# Altium PCB esp_ethernet_can_ir_relay.PcbDoc (part 1 of 2)
Units mm, origin at the board's own origin, x right, y up, seen from the top; angles counter-clockwise.
Board outline 110 x 113 mm, 2 copper layers (Top Layer, Bottom Layer); 155 components, 105 nets, 479 pads, 57 vias.
Unrouted connection lines stored in the file: 2.
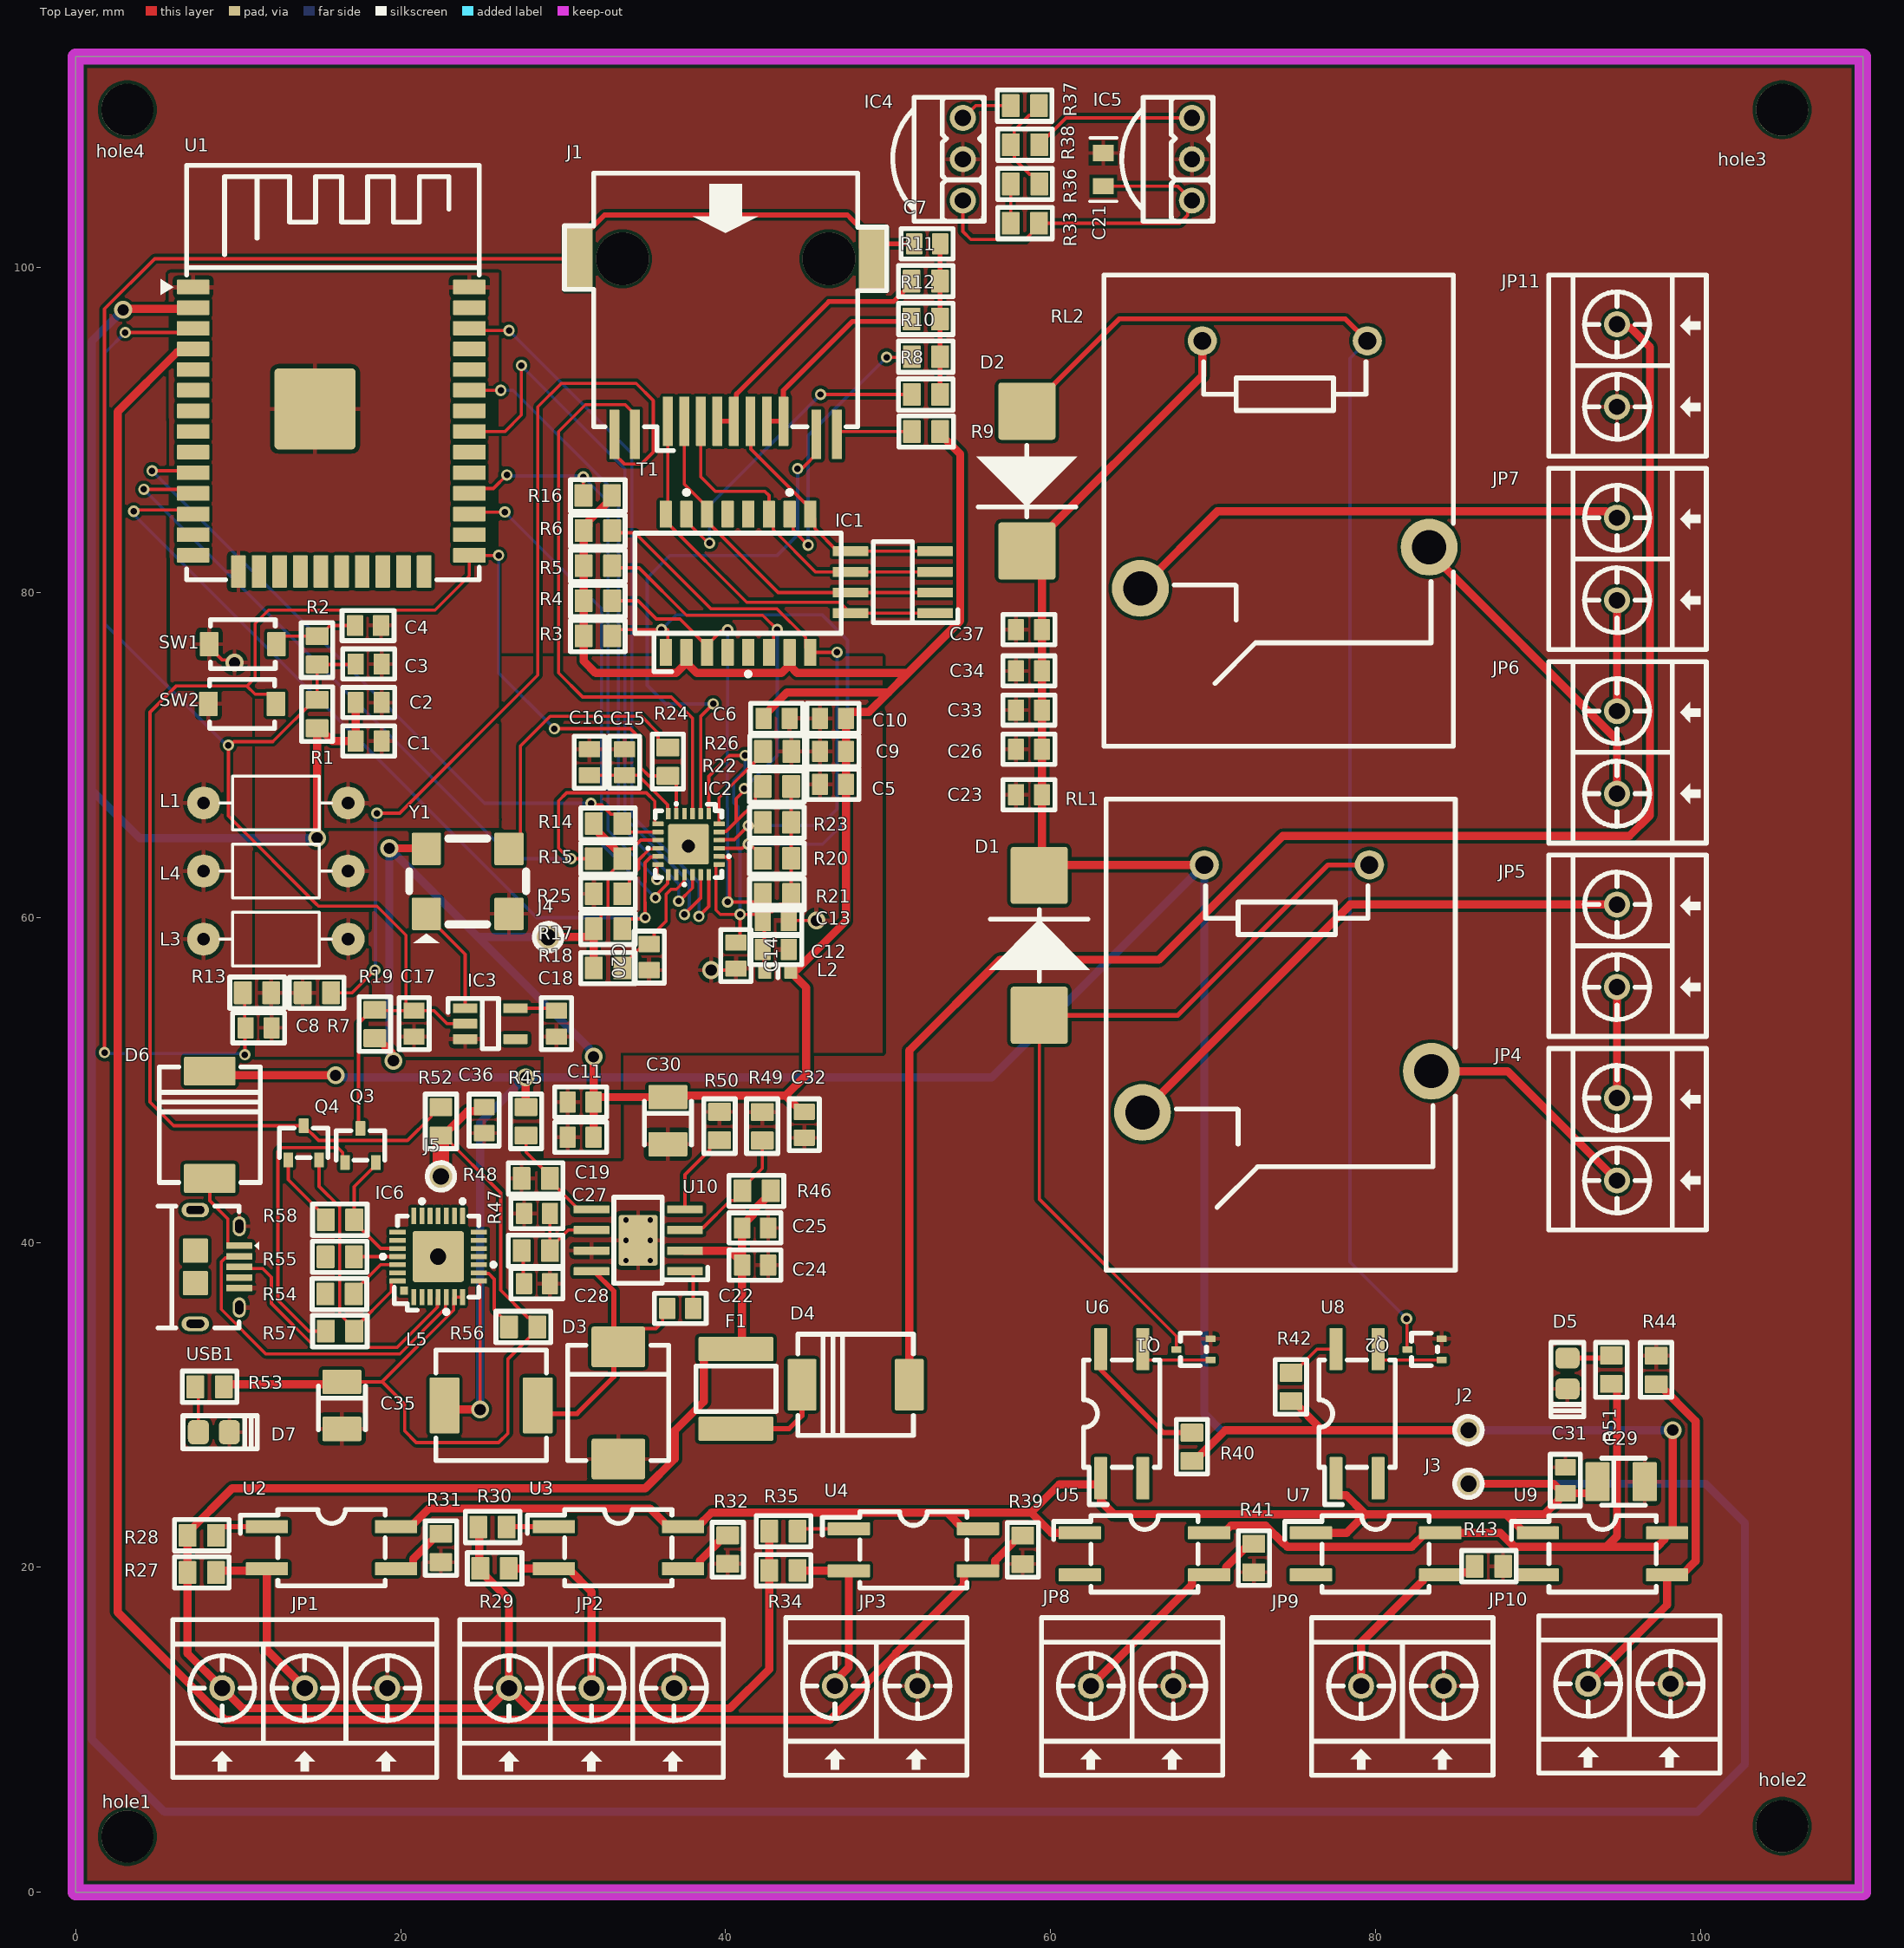
[diagram p0: Top Layer view]
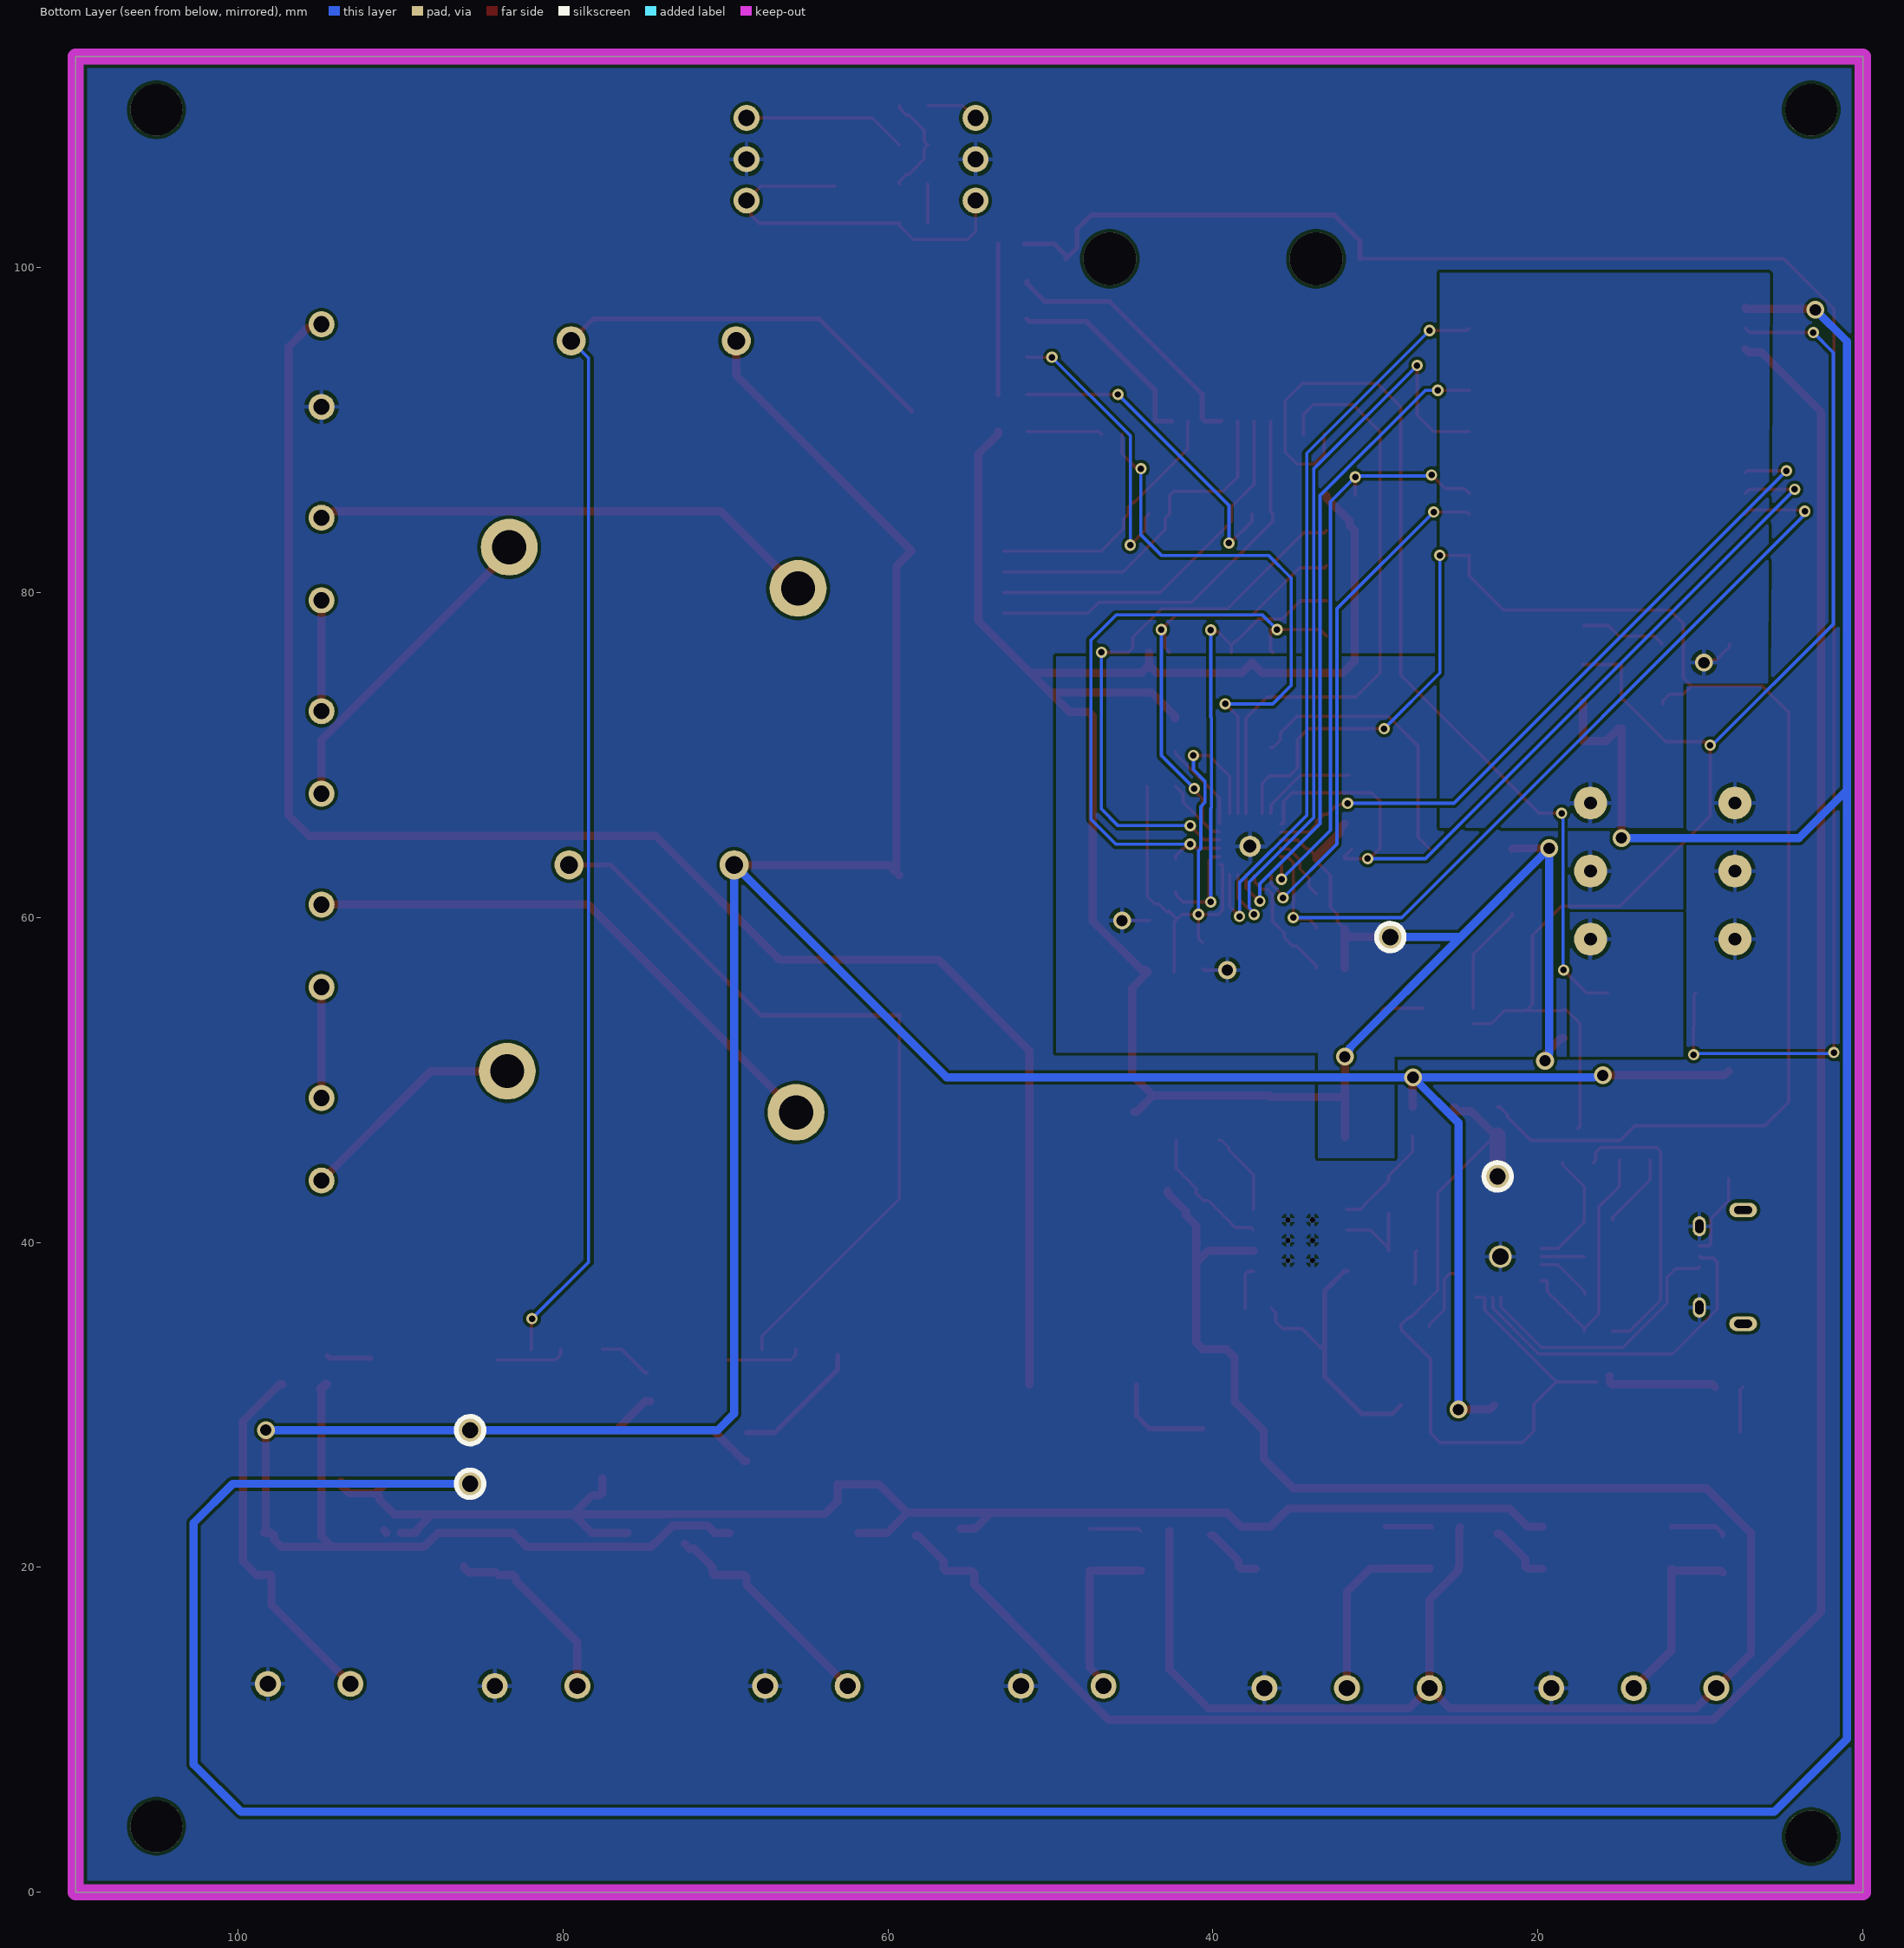
[diagram p1: Bottom Layer view, seen from below]

## Layer stack, top to bottom
Top Solder: solder mask 0.0102, Solder Resist, Dk 3.5
Top Layer: signal copper 0.0356
Dielectric 1: dielectric 0.32, FR-4, Dk 4.8
Bottom Layer: signal copper 0.0356
Bottom Solder: solder mask 0.0102, Solder Resist, Dk 3.5

## Board outline
0,0 0,113 110,113 110,0

## Design rules (kind name [scope] priority, off if disabled: settings)
Clearance [All] p1: gap=0.2 ignorepadtopadclearanceinfootprint=FALSE
PlaneClearance [All] p1: clearance=0.3
PlaneConnect [All] p1: planeconnectstyle=Relief reliefexpansion=0.3 reliefentries=4 reliefconductorwidth=0.2 reliefairgap=0.2
PolygonConnect [All] p1: connectstyle=Relief reliefconductorwidth=0.254 reliefentries=4 polygonreliefangle="90 Angle" airgapwidth=0.254
RoutingVias RoutingVias_power [InNetClass('power')] p1: holewidth=0.7 width=1.1 viastyle="Through Hole" minholewidth=0.7 minwidth=1.1 maxholewidth=0.7 maxwidth=1.1
RoutingVias RoutingVias_signal [All] p2: holewidth=0.4 width=0.7 viastyle="Through Hole" minholewidth=0.4 minwidth=0.7 maxholewidth=0.4 maxwidth=0.7
SolderMaskExpansion [All] p1: expansion=0.102 istentingtop=FALSE
Width Width_power [InNetClass('power')] p1: maxlimit=1 minlimit=0.2 preferedwidth=0.5
Width Width_signal [All] p2: maxlimit=0.5 minlimit=0.2 preferedwidth=0.3
28 further rules are at their usual default settings.

## Classes and differential pairs
net class power: 3.3V_ESP 3.3V_ETHER 3V3 5V 12V BUTTON DGND EGND ESP_BUTTON ESP_OUT1 ESP_OUT2 ESP_OUT3 ESP_SENSOR1 ESP_SENSOR2 ETH_GND IRemote NetJP4_1 NetJP4_2 NetJP5_1 NetJP6_1 NetJP6_2 NetJP7_1 OUT1 OUT2 OUT3 PGND SENSOR1 SENSOR2 SPI_OUT4 SPI_OUT5 USB3V3 VCCUSB VIN
component class USB: C35 C36 D6 D7 IC6 J5 Q3 Q4 R52 R53 R54 R55 R56 R57 R58 SW2 U13 USB1
component class Power: C22 C23 C24 C25 C26 C27 C28 C29 C30 C31 C32 C33 C34 D3 D4 D5 F1 J2 J3 J4 JP11 L5 R45 R46 R47 R48 R49 R50 R51 U10 U11 U12
component class Output: D1 D2 JP4 JP5 JP6 JP7 JP8 JP9 JP10 Q1 Q2 R40 R41 R42 R43 R44 RL1 RL2 U5 U6 U7 U8 U9
component class Input: C21 IC4 IC5 JP1 JP2 JP3 R27 R28 R29 R30 R31 R32 R33 R34 R35 R36 R37 R38 R39 U2 U3 U4
component class Ethernet: C5 C6 C7 C8 C9 C10 C11 C12 C13 C14 C15 C16 C17 C18 C19 C20 IC1 IC2 IC3 J1 L2 L3 L4 R3 R4 R5 R6 R7 R8 R9 R10 R11 R12 R13 R14 R15 R16 R17 R18 R19 R20 R21 R22 R23 R24 R26 T1 Y1
component class ESP32: C1 C2 C3 C4 hole1 hole2 hole3 hole4 L1 R1 R2 SW1 U1

## Components (designator, comment, footprint, x,y, rotation, side; value= is the part's Value field where it differs from the comment)
C1 "22uF/25V/C0805/10%" CAP_CERA_C2012(CC0805INCH) 18.034,70.866 r180 top
C2 "0.1uF/25V/C0805/10%" CAP_CERA_C2012(CC0805INCH) 18.034,73.237 r180 top
C3 "0.1uF/25V/C0805/10%" CAP_CERA_C2012(CC0805INCH) 18.034,75.607 r180 top
C4 "10uF/25V/C0805/10%" CAP_CERA_C2012(CC0805INCH) 17.996,77.978 r0 top
C5 "0.1uF/25V" CAP_CERA_C2012(CC0805INCH) 46.609,68.199 r180 top value="100pF, 2012"
C6 "0.1uF/25V" CAP_CERA_C2012(CC0805INCH) 43.142,72.263 r0 top value="100pF, 2012"
C7 "1000pF/25V" CAP_CERA_C2012(CC0805INCH) 52.413,101.473 r0 top
C8 "4700pF/25V" CAP_CERA_C2012(CC0805INCH) 11.265,53.213 r0 top
C9 "22uF/25V" CAP_CERA_C2012(CC0805INCH) 46.609,70.231 r0 top
C10 "22uF/25V" CAP_CERA_C2012(CC0805INCH) 46.609,72.263 r0 top
C11 "0.1uF/25V" CAP_CERA_C2012(CC0805INCH) 31.077,48.641 r0 top value="100pF, 2012"
C12 "22uF/25V" CAP_CERA_C2012(CC0805INCH) 43.091,58.039 r180 top
C13 "0.1uF/25V" CAP_CERA_C2012(CC0805INCH) 43.091,59.817 r180 top value="100pF, 2012"
C14 "0.1uF/25V" CAP_CERA_C2012(CC0805INCH) 40.64,57.658 r90 top value="100pF, 2012"
C15 "4.7uF/25V" CAP_CERA_C2012(CC0805INCH) 33.782,69.558 r270 top
C16 "10nF/25V" CAP_CERA_C2012(CC0805INCH) 31.623,69.558 r270 top
C17 "4.7uF/25V" CAP_CERA_C2012(CC0805INCH) 20.828,53.467 r90 top
C18 "0.1uF/25V" CAP_CERA_C2012(CC0805INCH) 29.591,53.467 r90 top value="100pF, 2012"
C19 "0.1uF/25V" CAP_CERA_C2012(CC0805INCH) 31.077,46.482 r0 top value="100pF, 2012"
C20 "4.7uF/25V" CAP_CERA_C2012(CC0805INCH) 35.306,57.569 r90 top
C21 "Cap Pol1" C0805 63.246,106.045 r90 top value=4.7uF/16V
C22 "0.1uF/25V" CAP_CERA_C2012(CC0805INCH) 37.211,35.941 r0 top
C23 "47uF/10V" CAP_CERA_C2012(CC0805INCH) 58.674,67.564 r0 top
C24 "2.2uF/50V" CAP_CERA_C2012(CC0805INCH) 41.82,38.608 r180 top
C25 "2.2uF/50V" CAP_CERA_C2012(CC0805INCH) 41.82,40.894 r180 top
C26 "47uF/10V" CAP_CERA_C2012(CC0805INCH) 58.674,70.358 r0 top
C27 "39pF/50V" CAP_CERA_C2012(CC0805INCH) 28.396,41.783 r0 top
C28 "6800pF/25V" CAP_CERA_C2012(CC0805INCH) 28.396,37.465 r180 top
C29 "10uF/25V/TANTA/10%B" "CAP TANT CASE B SMD" 95.123,25.273 r0 top
C30 "10uF/25V/TANTA/10%B" "CAP TANT CASE B SMD" 36.449,47.498 r270 top
C31 "0.1uF/25V" CAP_CERA_C2012(CC0805INCH) 91.694,25.362 r270 top
C32 "0.1uF/25V" CAP_CERA_C2012(CC0805INCH) 44.846,47.244 r90 top
C33 "0.1uF/25V" CAP_CERA_C2012(CC0805INCH) 58.674,72.771 r0 top
C34 "0.1uF/25V" CAP_CERA_C2012(CC0805INCH) 58.674,75.184 r0 top
C35 "10uF/25V/TANTA" "CAP TANT CASE B SMD" 16.383,29.972 r270 top
C36 "0.1uF/25V" CAP_CERA_C2012(CC0805INCH) 25.146,47.536 r90 top
C37 "0.1uF/25V" CAP_CERA_C2012(CC0805INCH) 58.674,77.724 r0 top
D1 "SSC53L-E3/57T" SSC53L-E3/57T 59.309,58.293 r90 top
D2 "SSC53L-E3/57T" SSC53L-E3/57T 58.547,86.868 r270 top
D3 "B560C-13-F" "2# B560C" 33.401,30.12 r90 top
D4 "SK56L-TP" "30# SK56L-TPMSCT-ND" 48.006,31.242 r180 top
D5 "GREEN 0805" "Led 0805G" 91.821,31.938 r270 top
D6 "SK56L-TP" "30# SK56L-TPMSCT-ND" 8.255,47.244 r90 top
D7 "GREEN 0805" "Led 0805G" 8.509,28.321 r0 top
F1 "MF-SMDF050-2" "13# MF-SMDF050" 40.64,30.988 r90 top
hole1 "Vit 3mm" "Screw 3.0"#1 3.175,3.429 r90 top
hole2 "Vit 3mm" "Screw 3.0"#1 105.029,4.064 r90 top
hole3 "Vit 3mm" "Screw 3.0"#2 103.124,110.49 r90 top
hole4 "Vit 3mm" "Screw 3.0"#1 3.175,109.728 r90 top
IC1 "SLVU2.8-4.TBT-SO8" "SLVU2.8-4.TBT - 8S0" 50.292,80.645 r90 top
IC2 "LAN8720A-24QFN" "LAN8720A 24QFN" 38.969,66.398 r180 top
IC3 "BD5228G-TR-5SSOP" "BD5228G -5SSOP" 25.527,53.467 r270 top
IC4 "TSOP1838" TSOP1838 54.61,106.68 r270 top
IC5 "TSOP1838" TSOP1838 68.707,106.68 r270 top
IC6 "CP2102-QFN28" CP2102-QFN28 22.312,39.132 r0 top
J1 "2-6339191-1 (RJ45)" RJ45-A121555CT-ND 36.449,90.551 r180 top
J2 "TEST POINT" "TEST POINT 1mm" 85.725,28.448 r90 top
J3 "TEST POINT" "TEST POINT 1mm" 85.725,25.146 r90 top
J4 "TEST POINT" "TEST POINT 1mm" 29.083,58.801 r90 top
J5 "TEST POINT" "TEST POINT 1mm" 22.479,44.069 r90 top
JP1 "ED2610-ND" DOMINO_OSTTC_3P 14.097,12.573 r180 top value="Connector 3"
JP2 "ED2610-ND" DOMINO_OSTTC_3P 31.75,12.573 r180 top value="Connector 3"
JP3 "ED2609-ND" DOMINO_OSTTC_2P 49.276,12.7 r180 top value="Connector 2"
JP4 "ED2609-ND" DOMINO_OSTTC_2P 94.869,46.355 r270 top value="Connector 2"
JP5 "ED2609-ND" DOMINO_OSTTC_2P 94.869,58.261 r270 top value="Connector 2"
JP6 "ED2609-ND" DOMINO_OSTTC_2P 94.869,70.168 r270 top value="Connector 2"
JP7 "ED2609-ND" DOMINO_OSTTC_2P 94.869,82.074 r270 top value="Connector 2"
JP8 "ED2609-ND" DOMINO_OSTTC_2P 65.024,12.7 r180 top value="Connector 2"
JP9 "ED2609-ND" DOMINO_OSTTC_2P 81.661,12.7 r180 top value="Connector 2"
JP10 "ED2609-ND" DOMINO_OSTTC_2P 95.631,12.827 r180 top value="Connector 2"
JP11 "ED2609-ND" DOMINO_OSTTC_2P 94.869,93.98 r270 top value="Connector 2"
L1 "10uH" L/0.4 16.764,67.056 r180 top value="150 mH"
L2 "MPZ1608B471 (0603)" MPZ1608B471 43.218,56.642 r180 top
L3 "10uH" L/0.4 16.764,58.674 r180 top value="150 mH"
L4 "10uH" L/0.4 16.764,62.865 r180 top value="150 mH"
L5 "ASPI-7318-8R2M-TCT-ND" ASPI-7318-8R2M-TCT-ND 25.573,29.972 r180 top
Q1 "MCH3209-TL-E" "MCH3209-TL-E  SOT-323" 68.8,33.416 r90 top
Q2 "MCH3209-TL-E" "MCH3209-TL-E  SOT-323" 83.024,33.416 r90 top
Q3 "DTC143ZKAT146" "6# DTC143ZKAT146-E" 17.526,45.974 r0 top
Q4 "DTC143ZKAT146" "6# DTC143ZKAT146-E" 14.036,46.135 r0 top
R1 "10K/R0805/1%" "Res 0805 SMD" 14.859,72.531 r90 top
R2 "0R/R0805/1%" "Res 0805 SMD" 14.859,76.454 r270 top
R3 "49.9R" "Res 0805 SMD" 32.145,77.343 r0 top
R4 "49.9R" "Res 0805 SMD" 32.145,79.502 r0 top
R5 "49.9R" "Res 0805 SMD" 32.145,81.661 r0 top
R6 "49.9R" "Res 0805 SMD" 32.145,83.82 r0 top
R7 "75R" "Res 0805 SMD" 14.845,55.372 r0 top
R8 "75R" "Res 0805 SMD" 52.338,92.202 r0 top
R9 "75R" "Res 0805 SMD" 52.338,89.916 r180 top
R10 "75R" "Res 0805 SMD" 52.338,94.53 r0 top
R11 "75R" "Res 0805 SMD" 52.323,99.175 r180 top
R12 "75R" "Res 0805 SMD" 52.323,96.848 r180 top
R13 "1M" "Res 0805 SMD" 11.162,55.372 r180 top
R14 "10K" "Res 0805 SMD" 32.766,65.786 r0 top
R15 "10K" "Res 0805 SMD" 32.766,63.627 r180 top
R16 "10K" "Res 0805 SMD" 32.131,85.979 r180 top
R17 "10K" "Res 0805 SMD" 32.766,59.309 r0 top
R18 "10K" "Res 0805 SMD" 32.766,56.896 r0 top
R19 "10K" "Res 0805 SMD" 18.415,53.453 r90 top
R20 "49.9R" "Res 0805 SMD" 43.166,63.647 r0 top
R21 "49.9R" "Res 0805 SMD" 43.166,61.434 r0 top
R22 "49.9R" "Res 0805 SMD" 43.166,68.072 r0 top
R23 "49.9R" "Res 0805 SMD" 43.166,65.859 r0 top
R24 "27R" "Res 0805 SMD" 36.449,69.596 r270 top
R25 "10K" "Res 0805 SMD" 32.766,61.468 r180 top
R26 "12.1K" "Res 0805 SMD" 43.18,70.231 r0 top
R27 "10K" "Res 0805 SMD" 7.761,19.685 r180 top
R28 "1K" "Res 0805 SMD" 7.761,21.971 r180 top
R29 "10K" "Res 0805 SMD" 25.781,19.939 r180 top
R30 "1K" "Res 0805 SMD" 25.654,22.479 r180 top
R31 "10K" "Res 0805 SMD" 22.479,21.195 r90 top
R32 "10K" "Res 0805 SMD" 40.132,21.096 r90 top
R33 "330" "Res 0805 SMD" 58.42,102.743 r180 top
R34 "10K" "Res 0805 SMD" 43.561,19.812 r180 top
R35 "1K" "Res 0805 SMD" 43.561,22.225 r180 top
R36 "10K" "Res 0805 SMD" 58.434,105.156 r180 top
R37 "0R" "Res 0805 SMD" 58.42,109.982 r0 top
R38 "0R" "Res 0805 SMD" 58.434,107.569 r180 top
R39 "10K" "Res 0805 SMD" 58.293,21.082 r90 top
R40 "10K" "Res 0805 SMD" 68.707,27.418 r270 top
R41 "10K" "Res 0805 SMD" 72.517,20.574 r90 top
R42 "10K" "Res 0805 SMD" 74.803,31.101 r270 top
R43 "10K" "Res 0805 SMD" 86.981,20.066 r180 top
R44 "10K" "Res 0805 SMD" 97.282,32.153 r270 top
R45 "53.6K" "Res 0805 SMD" 27.716,47.461 r90 top
R46 "523K" "Res 0805 SMD" 41.91,43.18 r0 top
R47 "13K" "Res 0805 SMD" 28.321,39.497 r0 top
R48 "10.2K" "Res 0805 SMD" 28.321,43.942 r0 top
R49 "84.5K" "Res 0805 SMD" 42.26,47.154 r270 top
R50 "162K/R0805" "Res 0805 SMD" 39.624,47.169 r90 top
R51 "1K/R0805/1%" "Res 0805 SMD" 94.519,32.168 r90 top
R52 "10K" "Res 0805 SMD" 22.479,47.461 r90 top
R53 "1K" "Res 0805 SMD" 8.241,31.115 r180 top
R54 "1K" "Res 0805 SMD" 16.242,36.83 r0 top
R55 "1K" "Res 0805 SMD" 16.256,39.116 r0 top
R56 "4.7K" "Res 0805 SMD" 27.545,34.798 r180 top
R57 "10K" "Res 0805 SMD" 16.27,34.544 r0 top
R58 "10K" "Res 0805 SMD" 16.27,41.402 r0 top
RL1 "Relay T9GV1L14-5 30A 5V" "Relay T9GV1L14-5 30A 5V" 74.549,51.816 r180 top
RL2 "Relay T9GV1L14-5 30A 5V" "Relay T9GV1L14-5 30A 5V" 74.422,84.074 r180 top
SW1 "RST" "Button 3x4mm" 10.287,76.835 r0 top
SW2 "FLASH" "Button 3x4mm" 10.244,73.152 r180 top
T1 "HX1198FNLT" HX1198FNL 36.322,76.326 r0 top
U1 "ESP-WROOM-32" "ESP32 WROOM" 7.232,98.813 r0 top
U2 "TPC817S1B-SOP4" TPC817-4SOP 15.748,21.209 r0 top
U3 "PC817-SOP4" TPC817-4SOP 33.401,21.209 r0 top
U4 "PC817-SOP4" TPC817-4SOP 51.562,21.082 r0 top
U5 "TPC817S1B-SOP4" TPC817-4SOP 65.786,20.828 r0 top
U6 "TPC817S1B-SOP4" TPC817-4SOP 64.389,29.464 r90 top
U7 "TPC817S1B-SOP4" TPC817-4SOP 80.01,20.828 r0 top
U8 "TPC817S1B-SOP4" TPC817-4SOP 78.867,29.464 r90 top
U9 "TPC817S1B-SOP4" TPC817-4SOP 93.98,20.828 r0 top
U10 "TPS54360DDAR" "21# TPS54360" 34.625,40.132 r90 top
USB1 "USB_Micro" "USB_MICRO_B - Digikey" 10.066,39.797 r270 top
Y1 "ASV-50.000MHZ-E-T" CR_ASV_50.000MHZ 24.13,62.23 r0 top
